# Altium PCB 尺子V2.0.PcbDoc (part 1 of 2)
Units mil, origin at the board's own origin, x right, y up, seen from the top; angles counter-clockwise.
Board outline 7465.82 x 1585.27 mil, 2 copper layers (Top Layer, Bottom Layer); 22 components, 0 nets, 317 pads, 1 vias.
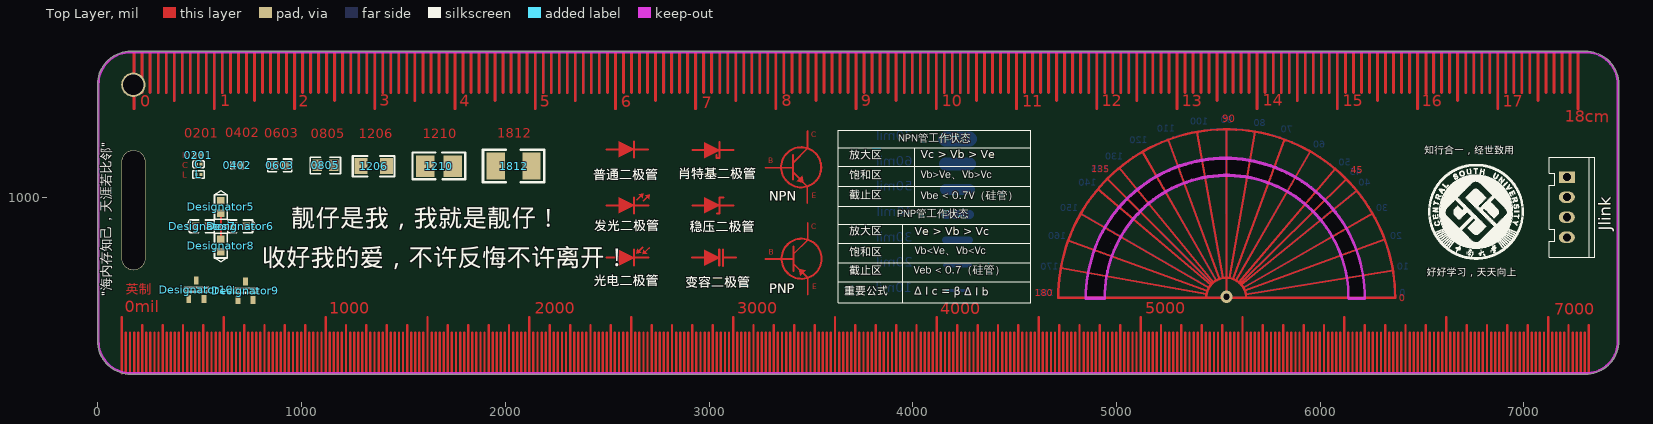
[diagram p0: Top Layer view]
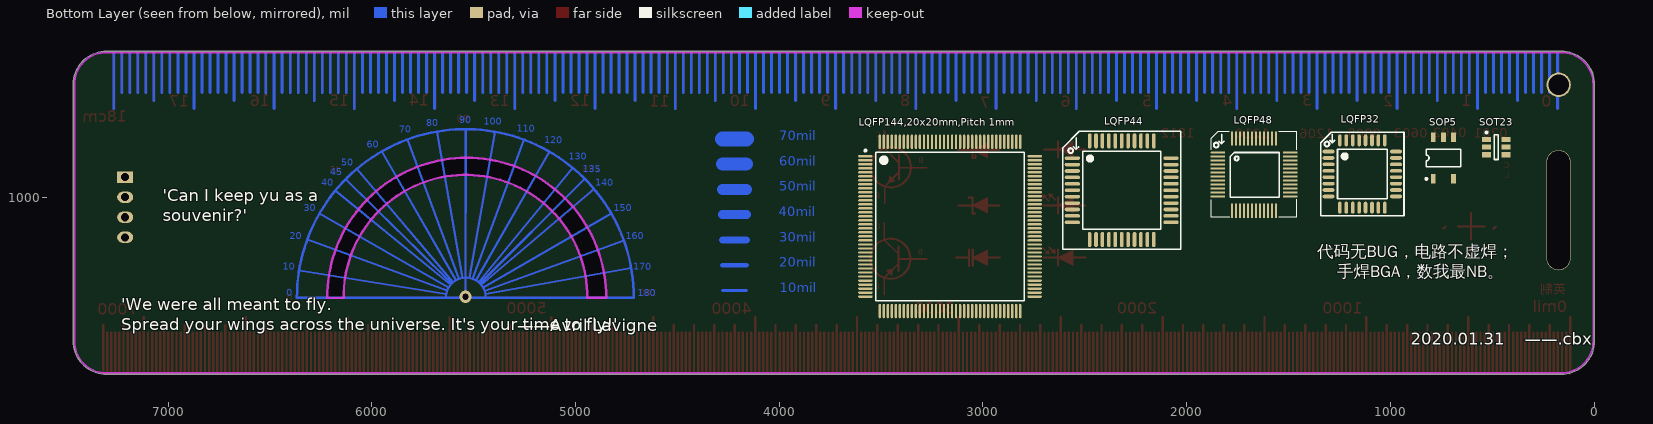
[diagram p1: Bottom Layer view, seen from below]

## Layer stack, top to bottom
Top Solder: solder mask 0.4, Solder Resist, Dk 3.5
Top Layer: signal copper 1.4
Dielectric 1: dielectric 12.6, FR-4, Dk 4.8
Bottom Layer: signal copper 1.4
Bottom Solder: solder mask 0.4, Solder Resist, Dk 3.5

## Board outline
161.69,134.87 cw(c161.69,297.36) -0.8,297.36 -0.8,1557.2 cw(c161.69,1557.2) 161.69,1719.7 7302.52,1719.7 cw(c7302.52,1557.2) 7464.99,1559.88 cw(c7460,1559.41) 7465.02,1559.41 7465.02,299.56 cw(c7460,299.56) 7464.84,298.25 cw(c7460,296.93) 7465.02,296.93 cw(c7302.52,296.93) 7302.52,134.43 cw(c7302.52,139.45) 7300.48,134.87
cut-out: 4968.66,774.29
cut-out: 4849.33,509.56 cw(c5533.92,512.21) 6218.5,508.88 6138.16,508.88 6138.13,508.88 ccw(c5540.07,514.86) 4942,509.56 4941.99,509.56

## Design rules (kind name [scope] priority, off if disabled: settings)
Clearance [All] p1: gap=10 ignorepadtopadclearanceinfootprint=FALSE except(0: Arc-Hole Track-Hole SMDPad-Hole THPad-Hole Via-Hole Fill-Hole Poly-Hole Region-Hole Text-Hole)
PolygonConnect [All] p1: connectstyle=Relief reliefconductorwidth=10 reliefentries=4 polygonreliefangle="90 Angle" airgapwidth=10
RoutingVias [All] p1: holewidth=28 width=50 viastyle="Through Hole" minholewidth=28 minwidth=50 maxholewidth=28 maxwidth=50
SolderMaskExpansion [All] p1: expansion=4
Width [All] p1: maxlimit=10 minlimit=10 preferedwidth=10
30 further rules are at their usual default settings.

## Components (designator, comment, footprint, x,y, rotation, side; value= is the part's Value field where it differs from the comment)
0201 "0201" 0201 492.99,1210 r0 top
0402 "0402" 0402 685.22,1159.49 r0 top
0603 "0603" 0603 893.89,1159.49 r0 top
0805 "0805" 0805 1117.67,1159.49 r0 top
1206 "1206" 1206 1354.16,1156.1 r0 top
1210 "1210" 1210 1674.61,1156.1 r0 top
1812 "1812" 1812 2040.91,1156.1 r0 top
C "Comment" LC-0201_C 495,1165 r0 top
Designator5 "Comment" "LED 0603B" 603.83,955.63 r270 top
Designator6 "Comment" "LED 0603B" 698.83,860.63 r180 top
Designator7 "Comment" "LED 0603B" 512.14,860.63 r0 top
Designator8 "Comment" "LED 0603B" 603.83,765.63 r90 top
Designator9 "Comment" SOT-23 725,545 r0 top
Designator10 "Comment" SOT-23 483.78,550 r0 top
Jlink "Comment" 2.54XH接插件4P 7210,1101.85 r270 top
L "Comment" LC-0201_L 495,1115 r0 top
LQFP32 "Comment" LQFP32 1138.19,1117.29 r180 bottom
LQFP44 "Comment" QFP44 2319.29,1037.64 r180 bottom
LQFP48 "Comment" LQFP48 1669.68,1114.41 r180 bottom
"LQFP144,20x20mm,Pitch 1mm" "Comment" TQ144_N 3161.81,860.06 r180 bottom
SOP5 "Comment" SOP5(6) 740.55,1196.03 r180 bottom
SOT23 "Comment" SOT23-6_N 480.85,1249.32 r180 bottom

## Footprints (in the part's own frame and the unit in brackets; to place one, negate y for a bottom-side part, rotate by r counter-clockwise, add the part's x,y. Pads: shape width x height; smd on the part's side, far side on the other; paste and mask are expansions set on the pad)
2.54XH接插件4P [mm]
  rect 1.4x2 hole 1: 1(0,0)
  oval 1.4x2 hole 1: 2(2.5,0) 3(5,0) 4(7.5,0)
  silkscreen extent -2.48,-2.2 9.98,3.5, body extent -2.5,-2.25 10,3.45, height 7
0201 [mil]
  rect 13.8x16 smd: 1(-13,0)
  rect 13.78x16 smd: 2(13,0)
  silkscreen extent -23,-11 23,11
0402 [mil]
  rect 23.62x25.58 smd: 1(-16.7,0) 2(16.7,0)
  silkscreen extent -32,-17 32,17
0603 [mm]
  rect 1x1.1 smd: 1(-0.7,0) 2(0.7,0)
  silkscreen extent -1.5,-0.8 1.5,0.8
0805 [mm]
  rect 1.16x1.45 smd: 1(-1.016,0) 2(1.016,0)
  silkscreen extent -1.9,-1.03 1.87,1.04
1206 [mil]
  rect 63x78.74 smd: 1(-62.99,0) 2(62.99,0)
  silkscreen extent -103,-50 103,50
1210 [mil]
  rect 90.56x106.3 smd: 1(-68,0) 2(68,0)
  silkscreen extent -130,-65 129,66
1812 [mil]
  rect 90x133.86 smd: 1(-88,0) 2(88,0)
  silkscreen extent -150,-80 150,80
LC-0201_C [mm]
  rect 0.36x0.4 smd mask+0.051: 1(-0.285,0) 2(0.285,0)
  silkscreen extent -0.71,-0.45 0.72,0.45, body extent -0.3,-0.15 0.3,0.15, height 0.31
LC-0201_L [mm]
  rect 0.36x0.4 smd mask+0.051: 1(-0.285,0) 2(0.285,0)
  silkscreen extent -0.71,-0.45 0.71,0.45
"LED 0603B" [mm] "蓝色0603LED"
  rect 0.93x0.98 smd: A(0.77,0) K(-0.77,0)
  silkscreen extent -2,-0.79 1.53,0.79, body extent -0.8,-0.4 0.8,0.4, height 0.61
LQFP32 [mm]
  oval 1.5x0.45 smd: 1(-4.2,2.8) 2(-4.2,2) 3(-4.2,1.2) 4(-4.2,0.4) 5(-4.2,-0.4) 6(-4.2,-1.2) 7(-4.2,-2) 8(-4.2,-2.8) 17(4.2,-2.8) 18(4.2,-2) 19(4.2,-1.2) 20(4.2,-0.4) 21(4.2,0.4) 22(4.2,1.2) 23(4.2,2) 24(4.2,2.8)
  oval 0.45x1.5 smd: 9(-2.8,-4.2) 10(-2,-4.2) 11(-1.2,-4.2) 12(-0.4,-4.2) 13(0.4,-4.2) 14(1.2,-4.2) 15(2,-4.2) 16(2.8,-4.2) 25(2.8,4.2) 26(2,4.2) 27(1.2,4.2) 28(0.4,4.2) 29(-0.4,4.2) 30(-1.2,4.2) 31(-2,4.2) 32(-2.8,4.2)
  silkscreen extent -5.2,-5.2 5.2,5.2
LQFP48 [mm]
  oval 1.8x0.27 smd: 1(-4.5,2.75)
  rect 1.8x0.27 smd: 2(-4.5,2.25) 3(-4.5,1.75) 4(-4.5,1.25) 5(-4.5,0.75) 6(-4.5,0.25) 7(-4.5,-0.25) 8(-4.5,-0.75) 9(-4.5,-1.25) 10(-4.5,-1.75) 11(-4.5,-2.25) 12(-4.5,-2.75) 25(4.5,-2.75) 26(4.5,-2.25) 27(4.5,-1.75) 28(4.5,-1.25) 29(4.5,-0.75) 30(4.5,-0.25) 31(4.5,0.25) 32(4.5,0.75) 33(4.5,1.25) 34(4.5,1.75) 35(4.5,2.25) 36(4.5,2.75)
  rect 0.27x1.8 smd: 13(-2.75,-4.5) 14(-2.25,-4.5) 15(-1.75,-4.5) 16(-1.25,-4.5) 17(-0.75,-4.5) 18(-0.25,-4.5) 19(0.25,-4.5) 20(0.75,-4.5) 21(1.25,-4.5) 22(1.75,-4.5) 23(2.25,-4.5) 24(2.75,-4.5) 37(2.75,4.5) 38(2.25,4.5) 39(1.75,4.5) 40(1.25,4.5) 41(0.75,4.5) 42(0.25,4.5) 43(-0.25,4.5) 44(-0.75,4.5) 45(-1.25,4.5) 46(-1.75,4.5) 47(-2.25,4.5) 48(-2.75,4.5)
  silkscreen extent -5.32,-5.32 5.32,5.32, body extent -4.8,-4.8 4.8,4.8, height 1.5
QFP44 [mm]
  oval 1.9x0.45 smd: 1(-6.15,4) 2(-6.15,3.2) 3(-6.15,2.4) 4(-6.15,1.6) 5(-6.15,0.8) 6(-6.15,0) 7(-6.15,-0.8) 8(-6.15,-1.6) 9(-6.15,-2.4) 10(-6.15,-3.2) 11(-6.15,-4) 23(6.15,-4) 24(6.15,-3.2) 25(6.15,-2.4) 26(6.15,-1.6) 27(6.15,-0.8) 28(6.15,0) 29(6.15,0.8) 30(6.15,1.6) 31(6.15,2.4) 32(6.15,3.2) 33(6.15,4)
  oval 0.45x1.9 smd: 12(-4,-6.15) 13(-3.2,-6.15) 14(-2.4,-6.15) 15(-1.6,-6.15) 16(-0.8,-6.15) 17(0,-6.15) 18(0.8,-6.15) 19(1.6,-6.15) 20(2.4,-6.15) 21(3.2,-6.15) 22(4,-6.15) 34(4,6.15) 35(3.2,6.15) 36(2.4,6.15) 37(1.6,6.15) 38(0.8,6.15) 39(0,6.15) 40(-0.8,6.15) 41(-1.6,6.15) 42(-2.4,6.15) 43(-3.2,6.15) 44(-4,6.15)
  silkscreen extent -7.35,-7.35 7.35,7.35
SOP5(6) [mm] "Small Outline; 6 Leads (1 Absent); Body Width 4.4 mm; Pitch 1.27 mm"
  rect 0.6x1.2 smd: 1(-1.27,-2.6) 3(1.27,-2.6) 4(1.27,2.6) 5(0,2.6) 6(-1.27,2.6)
  silkscreen extent -2.24,-2.72 2.15,1.1
SOT23-6_N [mm] "SOT23, 6-Leads, Body 2.9x1.6mm, Pitch 0.95mm, Lead Span 2.7mm, IPC Medium Density"
  rect 1.1x0.65 smd: 1(-1.2,0.95) 2(-1.2,0) 3(-1.2,-0.95) 4(1.2,-0.95) 5(1.2,0) 6(1.2,0.95)
  silkscreen extent -1.33,-1.55 0.25,1.95, body extent -0.9,-1.55 0.9,1.55, height 1.45
SOT-23 [mm] "SOT-23-3"
  rect 0.6x1 smd: 1(-0.95,-1.15) 2(0.95,-1.15) 3(0,1.15)
  silkscreen extent -1.5,-0.27 1.5,0.27, body extent -1.46,-1.28 1.46,1.27, height 0.99
TQ144_N [mm] "Thin QFP, 144-Leads, Body 20x20mm, Pitch 0.5mm, IPC Medium Density"
  oval 1.8x0.3 smd: 1(-10.55,8.75) 2(-10.55,8.25) 3(-10.55,7.75) 4(-10.55,7.25) 5(-10.55,6.75) 6(-10.55,6.25) 7(-10.55,5.75) 8(-10.55,5.25) 9(-10.55,4.75) 10(-10.55,4.25) 11(-10.55,3.75) 12(-10.55,3.25) 13(-10.55,2.75) 14(-10.55,2.25) 15(-10.55,1.75) 16(-10.55,1.25) 17(-10.55,0.75) 18(-10.55,0.25) 19(-10.55,-0.25) 20(-10.55,-0.75) 21(-10.55,-1.25) 22(-10.55,-1.75) 23(-10.55,-2.25) 24(-10.55,-2.75) 25(-10.55,-3.25) 26(-10.55,-3.75) 27(-10.55,-4.25) 28(-10.55,-4.75) 29(-10.55,-5.25) 30(-10.55,-5.75) 31(-10.55,-6.25) 32(-10.55,-6.75) 33(-10.55,-7.25) 34(-10.55,-7.75) 35(-10.55,-8.25) 36(-10.55,-8.75) 73(10.55,-8.75) 74(10.55,-8.25) 75(10.55,-7.75) 76(10.55,-7.25) 77(10.55,-6.75) 78(10.55,-6.25) 79(10.55,-5.75) 80(10.55,-5.25) 81(10.55,-4.75) 82(10.55,-4.25) 83(10.55,-3.75) 84(10.55,-3.25) 85(10.55,-2.75) 86(10.55,-2.25) 87(10.55,-1.75) 88(10.55,-1.25) 89(10.55,-0.75) 90(10.55,-0.25) 91(10.55,0.25) 92(10.55,0.75) 93(10.55,1.25) 94(10.55,1.75) 95(10.55,2.25) 96(10.55,2.75) 97(10.55,3.25) 98(10.55,3.75) 99(10.55,4.25) 100(10.55,4.75) 101(10.55,5.25) 102(10.55,5.75) 103(10.55,6.25) 104(10.55,6.75) 105(10.55,7.25) 106(10.55,7.75) 107(10.55,8.25) 108(10.55,8.75)
  oval 0.3x1.8 smd: 37(-8.75,-10.55) 38(-8.25,-10.55) 39(-7.75,-10.55) 40(-7.25,-10.55) 41(-6.75,-10.55) 42(-6.25,-10.55) 43(-5.75,-10.55) 44(-5.25,-10.55) 45(-4.75,-10.55) 46(-4.25,-10.55) 47(-3.75,-10.55) 48(-3.25,-10.55) 49(-2.75,-10.55) 50(-2.25,-10.55) 51(-1.75,-10.55) 52(-1.25,-10.55) 53(-0.75,-10.55) 54(-0.25,-10.55) 55(0.25,-10.55) 56(0.75,-10.55) 57(1.25,-10.55) 58(1.75,-10.55) 59(2.25,-10.55) 60(2.75,-10.55) 61(3.25,-10.55) 62(3.75,-10.55) 63(4.25,-10.55) 64(4.75,-10.55) 65(5.25,-10.55) 66(5.75,-10.55) 67(6.25,-10.55) 68(6.75,-10.55) 69(7.25,-10.55) 70(7.75,-10.55) 71(8.25,-10.55) 72(8.75,-10.55) 109(8.75,10.55) 110(8.25,10.55) 111(7.75,10.55) 112(7.25,10.55) 113(6.75,10.55) 114(6.25,10.55) 115(5.75,10.55) 116(5.25,10.55) 117(4.75,10.55) 118(4.25,10.55) 119(3.75,10.55) 120(3.25,10.55) 121(2.75,10.55) 122(2.25,10.55) 123(1.75,10.55) 124(1.25,10.55) 125(0.75,10.55) 126(0.25,10.55) 127(-0.25,10.55) 128(-0.75,10.55) 129(-1.25,10.55) 130(-1.75,10.55) 131(-2.25,10.55) 132(-2.75,10.55) 133(-3.25,10.55) 134(-3.75,10.55) 135(-4.25,10.55) 136(-4.75,10.55) 137(-5.25,10.55) 138(-5.75,10.55) 139(-6.25,10.55) 140(-6.75,10.55) 141(-7.25,10.55) 142(-7.75,10.55) 143(-8.25,10.55) 144(-8.75,10.55)
  silkscreen extent -10.68,-9.25 9.25,9.57, body extent -10,-10 10,10, height 1.6

## Free pads (board coordinates)
  oval 118.11x590.53 hole 110.24 slot 582.68 at 90 deg copper offset -0.01,-0.01: 1(175,940)
  round 120 hole 100: 5(175,1555)

## Via types
v1: diameter 60, hole 30, Top Layer to Bottom Layer, 1 vias

## Nets (pads, with @x,y where several pads share a name; then routed paths per layer and width w, separated by ;. In a path a pad name is that pad's centre, name@x,y a point inside that pad or via, vN(x,y) a via of type N, cw(c..) or ccw(c..) an arc to the next point about the centre after c; other vN are vias at no path point)
pads on no net: 0201.1 0201.2 0402.1 0402.2 0603.1 0603.2 0805.1 0805.2 1206.1 1206.2 1210.1 1210.2 1812.1 1812.2 "LQFP144,20x20mm,Pitch 1mm.1" "LQFP144,20x20mm,Pitch 1mm.2" "LQFP144,20x20mm,Pitch 1mm.3" "LQFP144,20x20mm,Pitch 1mm.4" "LQFP144,20x20mm,Pitch 1mm.5" "LQFP144,20x20mm,Pitch 1mm.6" "LQFP144,20x20mm,Pitch 1mm.7" "LQFP144,20x20mm,Pitch 1mm.8" "LQFP144,20x20mm,Pitch 1mm.9" "LQFP144,20x20mm,Pitch 1mm.10" "LQFP144,20x20mm,Pitch 1mm.11" "LQFP144,20x20mm,Pitch 1mm.12" "LQFP144,20x20mm,Pitch 1mm.13" "LQFP144,20x20mm,Pitch 1mm.14" "LQFP144,20x20mm,Pitch 1mm.15" "LQFP144,20x20mm,Pitch 1mm.16" "LQFP144,20x20mm,Pitch 1mm.17" "LQFP144,20x20mm,Pitch 1mm.18" "LQFP144,20x20mm,Pitch 1mm.19" "LQFP144,20x20mm,Pitch 1mm.20" "LQFP144,20x20mm,Pitch 1mm.21" "LQFP144,20x20mm,Pitch 1mm.22" "LQFP144,20x20mm,Pitch 1mm.23" "LQFP144,20x20mm,Pitch 1mm.24" "LQFP144,20x20mm,Pitch 1mm.25" "LQFP144,20x20mm,Pitch 1mm.26" "LQFP144,20x20mm,Pitch 1mm.27" "LQFP144,20x20mm,Pitch 1mm.28" "LQFP144,20x20mm,Pitch 1mm.29" "LQFP144,20x20mm,Pitch 1mm.30" "LQFP144,20x20mm,Pitch 1mm.31" "LQFP144,20x20mm,Pitch 1mm.32" "LQFP144,20x20mm,Pitch 1mm.33" "LQFP144,20x20mm,Pitch 1mm.34" "LQFP144,20x20mm,Pitch 1mm.35" "LQFP144,20x20mm,Pitch 1mm.36" "LQFP144,20x20mm,Pitch 1mm.37" "LQFP144,20x20mm,Pitch 1mm.38" "LQFP144,20x20mm,Pitch 1mm.39" "LQFP144,20x20mm,Pitch 1mm.40" "LQFP144,20x20mm,Pitch 1mm.41" "LQFP144,20x20mm,Pitch 1mm.42" "LQFP144,20x20mm,Pitch 1mm.43" "LQFP144,20x20mm,Pitch 1mm.44" "LQFP144,20x20mm,Pitch 1mm.45" "LQFP144,20x20mm,Pitch 1mm.46" "LQFP144,20x20mm,Pitch 1mm.47" "LQFP144,20x20mm,Pitch 1mm.48" "LQFP144,20x20mm,Pitch 1mm.49" "LQFP144,20x20mm,Pitch 1mm.50" "LQFP144,20x20mm,Pitch 1mm.51" "LQFP144,20x20mm,Pitch 1mm.52" "LQFP144,20x20mm,Pitch 1mm.53" "LQFP144,20x20mm,Pitch 1mm.54" "LQFP144,20x20mm,Pitch 1mm.55" "LQFP144,20x20mm,Pitch 1mm.56" "LQFP144,20x20mm,Pitch 1mm.57" "LQFP144,20x20mm,Pitch 1mm.58" "LQFP144,20x20mm,Pitch 1mm.59" "LQFP144,20x20mm,Pitch 1mm.60" "LQFP144,20x20mm,Pitch 1mm.61" "LQFP144,20x20mm,Pitch 1mm.62" "LQFP144,20x20mm,Pitch 1mm.63" "LQFP144,20x20mm,Pitch 1mm.64" "LQFP144,20x20mm,Pitch 1mm.65" "LQFP144,20x20mm,Pitch 1mm.66" "LQFP144,20x20mm,Pitch 1mm.67" "LQFP144,20x20mm,Pitch 1mm.68" "LQFP144,20x20mm,Pitch 1mm.69" "LQFP144,20x20mm,Pitch 1mm.70" "LQFP144,20x20mm,Pitch 1mm.71" "LQFP144,20x20mm,Pitch 1mm.72" "LQFP144,20x20mm,Pitch 1mm.73" "LQFP144,20x20mm,Pitch 1mm.74" "LQFP144,20x20mm,Pitch 1mm.75" "LQFP144,20x20mm,Pitch 1mm.76" "LQFP144,20x20mm,Pitch 1mm.77" "LQFP144,20x20mm,Pitch 1mm.78" "LQFP144,20x20mm,Pitch 1mm.79" "LQFP144,20x20mm,Pitch 1mm.80" "LQFP144,20x20mm,Pitch 1mm.81" "LQFP144,20x20mm,Pitch 1mm.82" "LQFP144,20x20mm,Pitch 1mm.83" "LQFP144,20x20mm,Pitch 1mm.84" "LQFP144,20x20mm,Pitch 1mm.85" "LQFP144,20x20mm,Pitch 1mm.86" "LQFP144,20x20mm,Pitch 1mm.87" "LQFP144,20x20mm,Pitch 1mm.88" "LQFP144,20x20mm,Pitch 1mm.89" "LQFP144,20x20mm,Pitch 1mm.90" "LQFP144,20x20mm,Pitch 1mm.91" "LQFP144,20x20mm,Pitch 1mm.92" "LQFP144,20x20mm,Pitch 1mm.93" "LQFP144,20x20mm,Pitch 1mm.94" "LQFP144,20x20mm,Pitch 1mm.95" "LQFP144,20x20mm,Pitch 1mm.96" "LQFP144,20x20mm,Pitch 1mm.97" "LQFP144,20x20mm,Pitch 1mm.98" "LQFP144,20x20mm,Pitch 1mm.99" "LQFP144,20x20mm,Pitch 1mm.100" "LQFP144,20x20mm,Pitch 1mm.101" "LQFP144,20x20mm,Pitch 1mm.102" "LQFP144,20x20mm,Pitch 1mm.103" "LQFP144,20x20mm,Pitch 1mm.104" "LQFP144,20x20mm,Pitch 1mm.105" "LQFP144,20x20mm,Pitch 1mm.106" "LQFP144,20x20mm,Pitch 1mm.107" "LQFP144,20x20mm,Pitch 1mm.108" "LQFP144,20x20mm,Pitch 1mm.109" "LQFP144,20x20mm,Pitch 1mm.110" "LQFP144,20x20mm,Pitch 1mm.111" "LQFP144,20x20mm,Pitch 1mm.112" "LQFP144,20x20mm,Pitch 1mm.113" "LQFP144,20x20mm,Pitch 1mm.114" "LQFP144,20x20mm,Pitch 1mm.115" "LQFP144,20x20mm,Pitch 1mm.116" "LQFP144,20x20mm,Pitch 1mm.117" "LQFP144,20x20mm,Pitch 1mm.118" "LQFP144,20x20mm,Pitch 1mm.119" "LQFP144,20x20mm,Pitch 1mm.120" "LQFP144,20x20mm,Pitch 1mm.121" "LQFP144,20x20mm,Pitch 1mm.122" "LQFP144,20x20mm,Pitch 1mm.123" "LQFP144,20x20mm,Pitch 1mm.124" "LQFP144,20x20mm,Pitch 1mm.125" "LQFP144,20x20mm,Pitch 1mm.126" "LQFP144,20x20mm,Pitch 1mm.127" "LQFP144,20x20mm,Pitch 1mm.128" "LQFP144,20x20mm,Pitch 1mm.129" "LQFP144,20x20mm,Pitch 1mm.130" "LQFP144,20x20mm,Pitch 1mm.131" "LQFP144,20x20mm,Pitch 1mm.132" "LQFP144,20x20mm,Pitch 1mm.133" "LQFP144,20x20mm,Pitch 1mm.134" "LQFP144,20x20mm,Pitch 1mm.135" "LQFP144,20x20mm,Pitch 1mm.136" "LQFP144,20x20mm,Pitch 1mm.137" "LQFP144,20x20mm,Pitch 1mm.138" "LQFP144,20x20mm,Pitch 1mm.139" "LQFP144,20x20mm,Pitch 1mm.140" "LQFP144,20x20mm,Pitch 1mm.141" "LQFP144,20x20mm,Pitch 1mm.142" "LQFP144,20x20mm,Pitch 1mm.143" "LQFP144,20x20mm,Pitch 1mm.144" C.1 C.2 Designator5.A Designator5.K Designator6.A Designator6.K Designator7.A Designator7.K Designator8.A Designator8.K Designator9.1 Designator9.2 Designator9.3 Designator10.1 Designator10.2 Designator10.3 Jlink.1 Jlink.2 Jlink.3 Jlink.4 L.1 L.2 LQFP32.1 LQFP32.2 LQFP32.3 LQFP32.4 LQFP32.5 LQFP32.6 LQFP32.7 LQFP32.8 LQFP32.9 LQFP32.10 LQFP32.11 LQFP32.12 LQFP32.13 LQFP32.14 LQFP32.15 LQFP32.16 LQFP32.17 LQFP32.18 LQFP32.19 LQFP32.20 LQFP32.21 LQFP32.22 LQFP32.23 LQFP32.24 LQFP32.25 LQFP32.26 LQFP32.27 LQFP32.28 LQFP32.29 LQFP32.30 LQFP32.31 LQFP32.32 LQFP44.1 LQFP44.2 LQFP44.3 LQFP44.4 LQFP44.5 LQFP44.6 LQFP44.7 LQFP44.8 LQFP44.9 LQFP44.10 LQFP44.11 LQFP44.12 LQFP44.13 LQFP44.14 LQFP44.15 LQFP44.16 LQFP44.17 LQFP44.18 LQFP44.19 LQFP44.20 LQFP44.21 LQFP44.22 LQFP44.23 LQFP44.24 LQFP44.25 LQFP44.26 LQFP44.27 LQFP44.28 LQFP44.29 LQFP44.30 LQFP44.31 LQFP44.32 LQFP44.33 LQFP44.34 LQFP44.35 LQFP44.36 LQFP44.37 LQFP44.38 LQFP44.39 LQFP44.40 LQFP44.41 LQFP44.42 LQFP44.43 LQFP44.44 LQFP48.1 LQFP48.2 LQFP48.3 LQFP48.4 LQFP48.5 LQFP48.6 LQFP48.7 LQFP48.8 LQFP48.9 LQFP48.10 LQFP48.11 LQFP48.12 LQFP48.13 LQFP48.14 LQFP48.15 LQFP48.16 LQFP48.17 LQFP48.18 LQFP48.19 LQFP48.20 LQFP48.21 LQFP48.22 LQFP48.23 LQFP48.24 LQFP48.25 LQFP48.26 LQFP48.27 LQFP48.28 LQFP48.29 LQFP48.30 LQFP48.31 LQFP48.32 LQFP48.33 LQFP48.34 LQFP48.35 LQFP48.36 LQFP48.37 LQFP48.38 LQFP48.39 LQFP48.40 LQFP48.41 LQFP48.42 LQFP48.43 LQFP48.44 LQFP48.45 LQFP48.46 LQFP48.47 LQFP48.48 SOP5.1 SOP5.3 SOP5.4 SOP5.5 SOP5.6 SOT23.1 SOT23.2 SOT23.3 SOT23.4 SOT23.5 SOT23.6